# Altium PCB PCB1.PcbDoc (part 2 of 4) (continued)
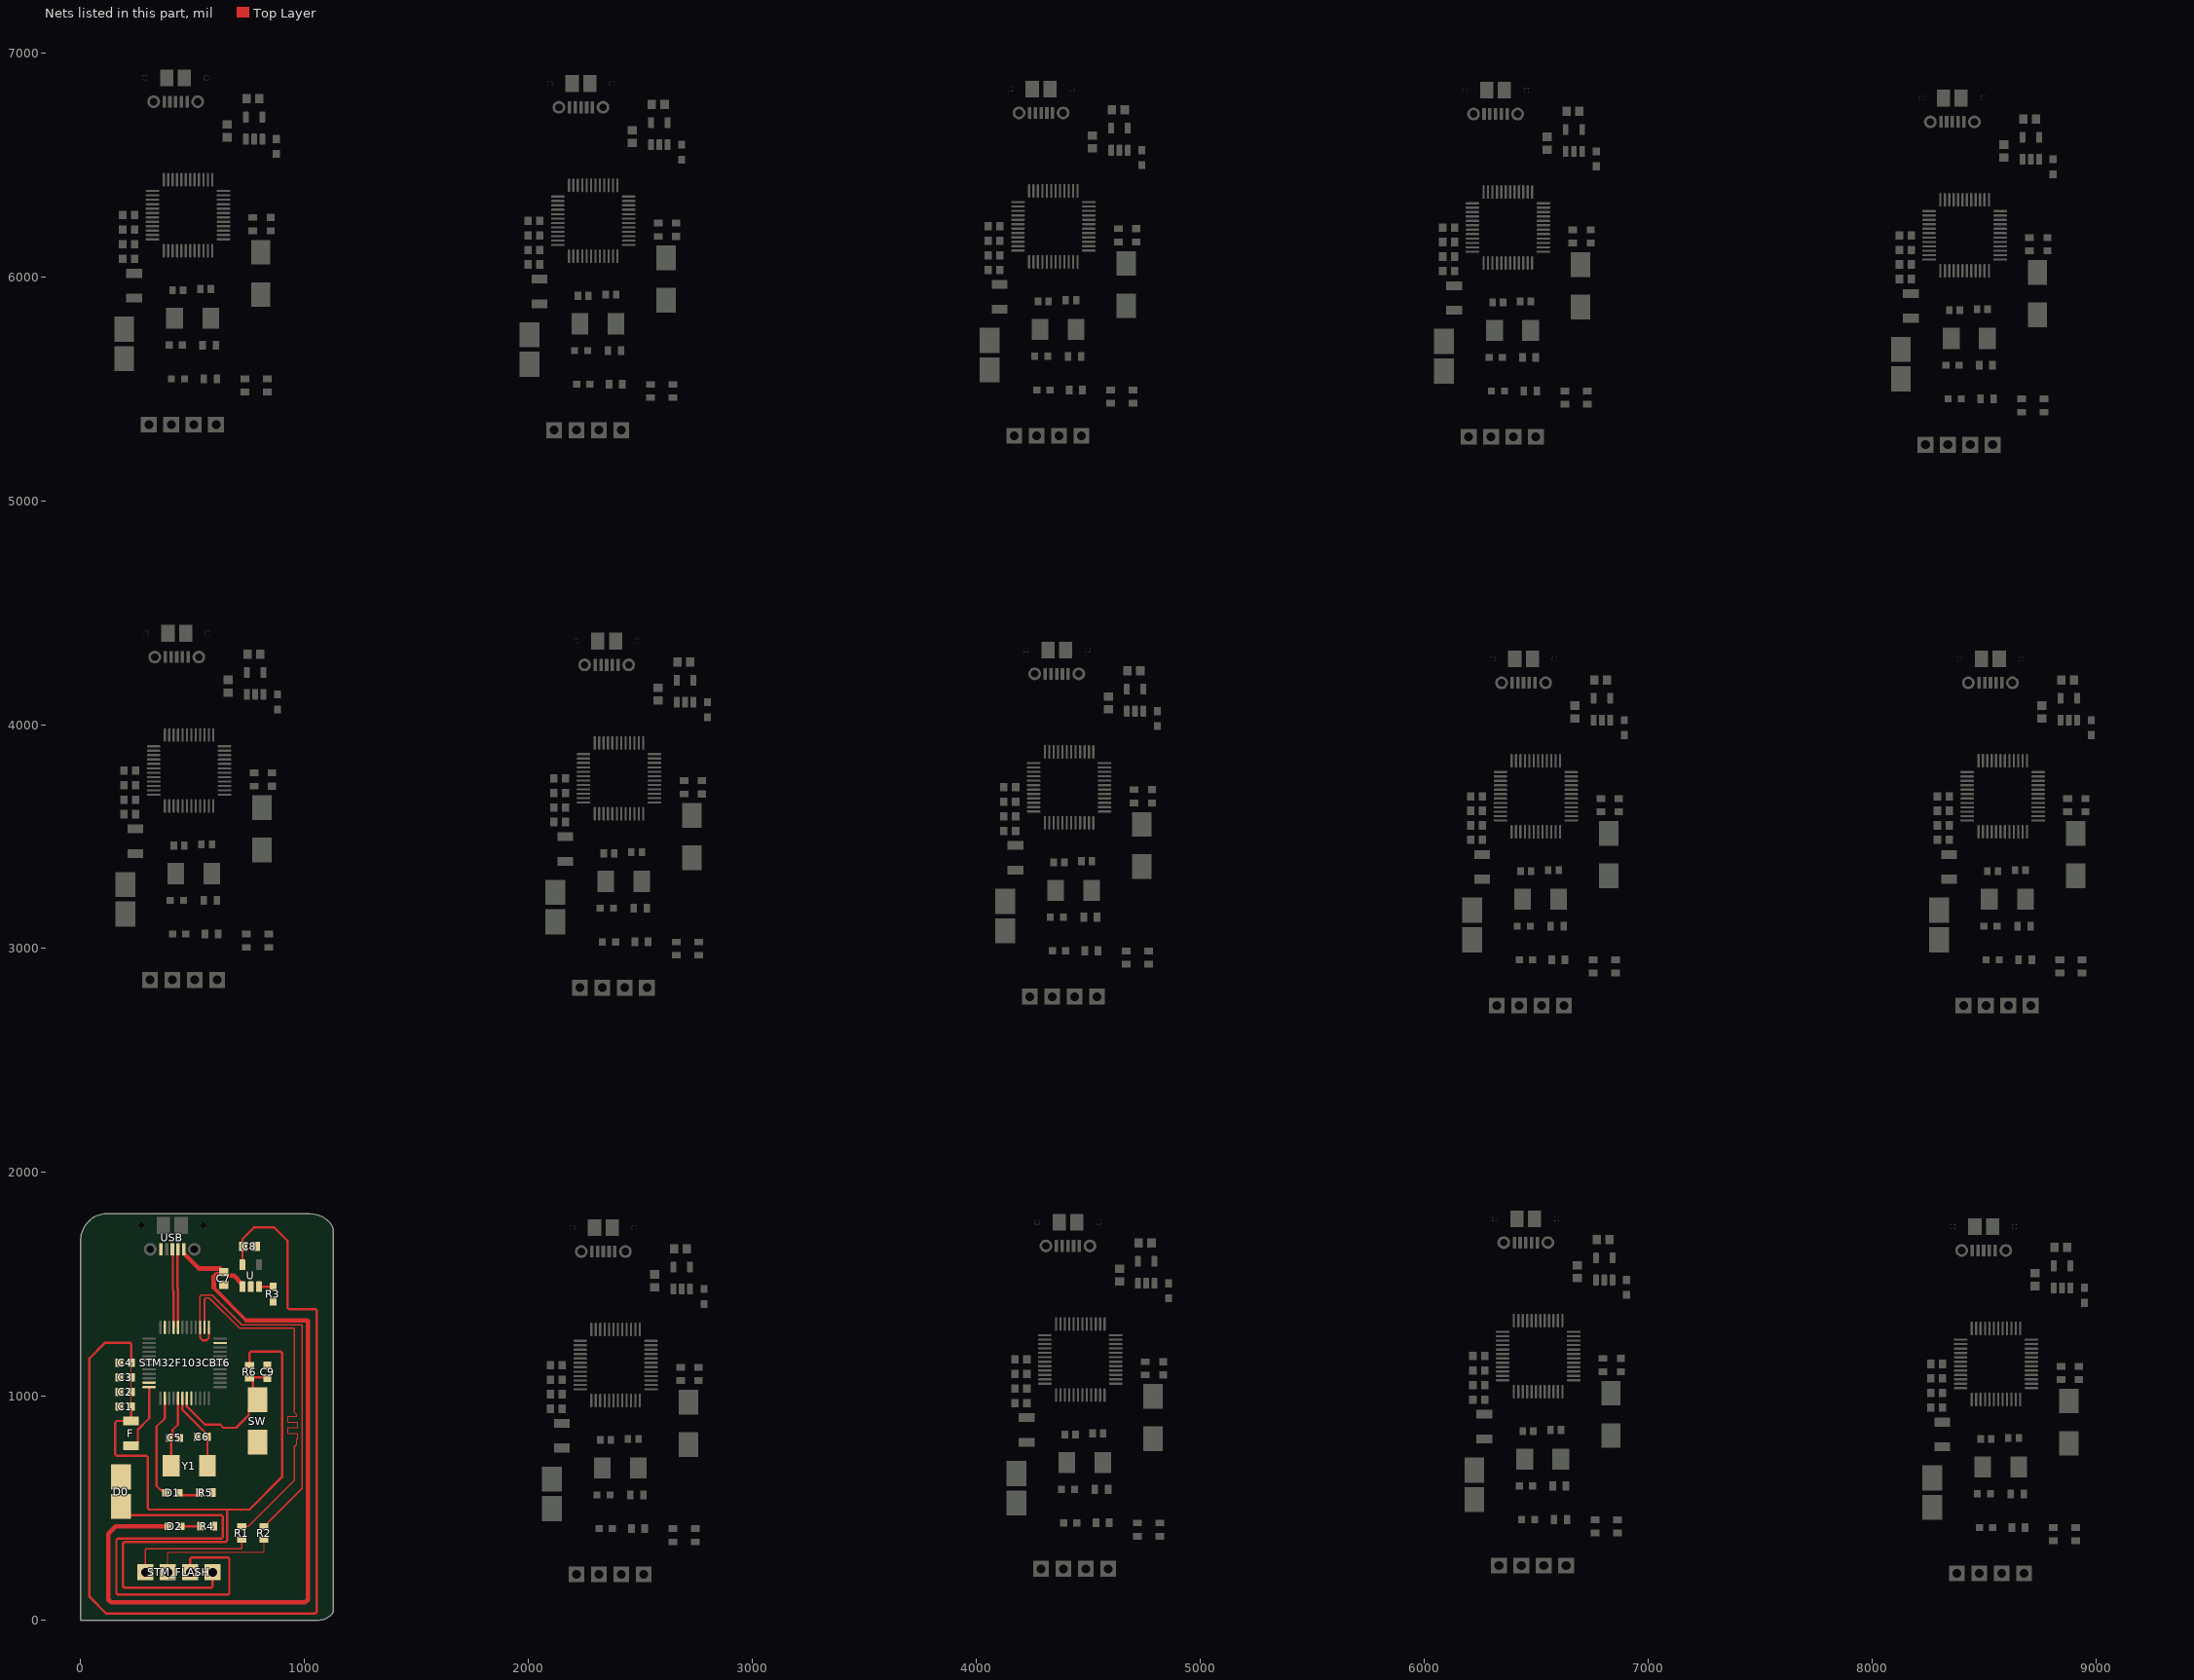
[diagram p2: the nets of this part, all layers, seen from the top]
## Nets (pads, with @x,y where several pads share a name; then routed paths per layer and width w, separated by ;. In a path a pad name is that pad's centre, name@x,y a point inside that pad or via, vN(x,y) a via of type N, cw(c..) or ccw(c..) an arc to the next point about the centre after c; other vN are vias at no path point) (continued)
  Top Layer w5: STM_FLASH.2@390,215 390,302.07 392.93,305 817.07,305 820,307.93 R2.2@820,360.47
NetR3_2: R3.2 U.3 | length 63
  Top Layer w10: U.3@797.01,1490 R3.2@860,1490
NRST: C9.1 R6.2 STM32F103CBT6.7 SW.1 | length 684.8
  Top Layer w5: R6.2@755,1080.47 R6.2@762.38,1087.85
  Top Layer w10: STM32F103CBT6.7@474.84,991.54 474.84,955.16 556.14,873.86 624.04,873.86 637.89,860 695,860 751.69,916.69 751.69,946.18 SW.1@790,984.49 ; R6.2@755,1080.47 759.76,1080.47 769.53,1070.71 SW.1@769.53,1004.96 ; R6.2@764.53,1085 830.47,1085 C9.1@835,1080.47 ; SW.1@769.53,1004.96 SW.1@790,984.49 ; SW.1@769.53,1004.96 SW.1@790,984.49
PB12: R2.1 STM32F103CBT6.25 STM32F103CBT6.27 | length 1766
  Top Layer w5: 533.9,1447.07 536.83,1450 ; R2.1@820,419.53 824.92,419.53 R2.1@837.19,431.79
  Top Layer w7: STM32F103CBT6.27@533.9,1308.46 533.9,1447.07 ; 536.83,1450 538.83,1452 588,1452 720,1320 985.9,1320 990,1315.9 990,589.53 837.19,436.71 R2.1@837.19,431.79
  Top Layer w10: STM32F103CBT6.27@533.9,1308.46 533.9,1261.1 545,1250 562.07,1250 573.27,1261.2 STM32F103CBT6.25@573.27,1308.46
PB13: R1.1 STM32F103CBT6.26 | length 1766.8
  Top Layer w5: 952.07,1305 955,1302.07 ; 955,938.91 955,938.37 955,927.5 965,917.5 965,910.87 926.64,910.87 926.64,885.87 970.08,885.87 970.08,860.87 926.64,860.87 926.64,835.87 970.08,835.87 970.08,810.87 965,810.87 965,788.94 965,785.35
  Top Layer w7: STM32F103CBT6.26@553.58,1308.46 553.58,1435.65 557.93,1440 575,1440 710,1305 952.07,1305 ; R1.1@720,419.53 749.53,419.53 955,625 955,775.35 965,785.35 ; 955,938.91 955,1302.07
PC13: D1.2 STM32F103CBT6.2 | length 459.7
  Top Layer w10: STM32F103CBT6.2@376.42,991.54 376.42,901.42 340,865 340,600.52 359.77,580.75 370.2,580.75 D1.2@380.94,570
USB_D_N: STM32F103CBT6.32 USB.2 | length 352.6
  Top Layer w10: STM32F103CBT6.32@435.47,1308.46 435.79,1308.78 435.79,1479.45 432.8,1482.44 432.8,1656.85 USB.2@435.59,1656.85
USB_D_P: STM32F103CBT6.33 USB.3 | length 352.4
  Top Layer w10: USB.3@410,1656.85 412.8,1656.85 412.8,1474.15 415.79,1471.16 STM32F103CBT6.33@415.79,1308.46
pads on no net: C1_1.1 C1_1.2 C1_2.1 C1_2.2 C1_3.1 C1_3.2 C1_4.1 C1_4.2 C1_5.1 C1_5.2 C1_6.1 C1_6.2 C1_7.1 C1_7.2 C1_8.1 C1_8.2 C1_9.1 C1_9.2 C1_10.1 C1_10.2 C1_11.1 C1_11.2 C1_12.1 C1_12.2 C1_13.1 C1_13.2 C1_14.1 C1_14.2 C2_1.1 C2_1.2 C2_2.1 C2_2.2 C2_3.1 C2_3.2 C2_4.1 C2_4.2 C2_5.1 C2_5.2 C2_6.1 C2_6.2 C2_7.1 C2_7.2 C2_8.1 C2_8.2 C2_9.1 C2_9.2 C2_10.1 C2_10.2 C2_11.1 C2_11.2 C2_12.1 C2_12.2 C2_13.1 C2_13.2 C2_14.1 C2_14.2 C3_1.1 C3_1.2 C3_2.1 C3_2.2 C3_3.1 C3_3.2 C3_4.1 C3_4.2 C3_5.1 C3_5.2 C3_6.1 C3_6.2 C3_7.1 C3_7.2 C3_8.1 C3_8.2 C3_9.1 C3_9.2 C3_10.1 C3_10.2 C3_11.1 C3_11.2 C3_12.1 C3_12.2 C3_13.1 C3_13.2 C3_14.1 C3_14.2 C4_1.1 C4_1.2 C4_2.1 C4_2.2 C4_3.1 C4_3.2 C4_4.1 C4_4.2 C4_5.1 C4_5.2 C4_6.1 C4_6.2 C4_7.1 C4_7.2 C4_8.1 C4_8.2 C4_9.1 C4_9.2 C4_10.1 C4_10.2 C4_11.1 C4_11.2 C4_12.1 C4_12.2 C4_13.1 C4_13.2 C4_14.1 C4_14.2 C5_1.1 C5_1.2 C5_2.1 C5_2.2 C5_3.1 C5_3.2 C5_4.1 C5_4.2 C5_5.1 C5_5.2 C5_6.1 C5_6.2 C5_7.1 C5_7.2 C5_8.1 C5_8.2 C5_9.1 C5_9.2 C5_10.1 C5_10.2 C5_11.1 C5_11.2 C5_12.1 C5_12.2 C5_13.1 C5_13.2 C5_14.1 C5_14.2 C6_1.1 C6_1.2 C6_2.1 C6_2.2 C6_3.1 C6_3.2 C6_4.1 C6_4.2 C6_5.1 C6_5.2 C6_6.1 C6_6.2 C6_7.1 C6_7.2 C6_8.1 C6_8.2 C6_9.1 C6_9.2 C6_10.1 C6_10.2 C6_11.1 C6_11.2 C6_12.1 C6_12.2 C6_13.1 C6_13.2 C6_14.1 C6_14.2 C7_1.1 C7_1.2 C7_2.1 C7_2.2 C7_3.1 C7_3.2 C7_4.1 C7_4.2 C7_5.1 C7_5.2 C7_6.1 C7_6.2 C7_7.1 C7_7.2 C7_8.1 C7_8.2 C7_9.1 C7_9.2 C7_10.1 C7_10.2 C7_11.1 C7_11.2 C7_12.1 C7_12.2 C7_13.1 C7_13.2 C7_14.1 C7_14.2 C8_1.1 C8_1.2 C8_2.1 C8_2.2 C8_3.1 C8_3.2 C8_4.1 C8_4.2 C8_5.1 C8_5.2 C8_6.1 C8_6.2 C8_7.1 C8_7.2 C8_8.1 C8_8.2 C8_9.1 C8_9.2 C8_10.1 C8_10.2 C8_11.1 C8_11.2 C8_12.1 C8_12.2 C8_13.1 C8_13.2 C8_14.1 C8_14.2 C9_1.1 C9_1.2 C9_2.1 C9_2.2 C9_3.1 C9_3.2 C9_4.1 C9_4.2 C9_5.1 C9_5.2 C9_6.1 C9_6.2 C9_7.1 C9_7.2 C9_8.1 C9_8.2 C9_9.1 C9_9.2 C9_10.1 C9_10.2 C9_11.1 C9_11.2 C9_12.1 C9_12.2 C9_13.1 C9_13.2 C9_14.1 C9_14.2 D0_1.1 D0_1.2 D0_2.1 D0_2.2 D0_3.1 D0_3.2 D0_4.1 D0_4.2 D0_5.1 D0_5.2 D0_6.1 D0_6.2 D0_7.1 D0_7.2 D0_8.1 D0_8.2 D0_9.1 D0_9.2 D0_10.1 D0_10.2 D0_11.1 D0_11.2 D0_12.1 D0_12.2 D0_13.1 D0_13.2 D0_14.1 D0_14.2 D1_1.1 D1_1.2 D1_2.1 D1_2.2 D1_3.1 D1_3.2 D1_4.1 D1_4.2 D1_5.1 D1_5.2 D1_6.1 D1_6.2 D1_7.1 D1_7.2 D1_8.1 D1_8.2 D1_9.1 D1_9.2 D1_10.1 D1_10.2 D1_11.1 D1_11.2 D1_12.1 D1_12.2 D1_13.1 D1_13.2 D1_14.1 D1_14.2 D2_1.1 D2_1.2 D2_2.1 D2_2.2 D2_3.1 D2_3.2 D2_4.1 D2_4.2 D2_5.1 D2_5.2 D2_6.1 D2_6.2 D2_7.1 D2_7.2 D2_8.1 D2_8.2 D2_9.1 D2_9.2 D2_10.1 D2_10.2 D2_11.1 D2_11.2 D2_12.1 D2_12.2 D2_13.1 D2_13.2 D2_14.1 D2_14.2 F_1.1 F_1.2 F_2.1 F_2.2 F_3.1 F_3.2 F_4.1 F_4.2 F_5.1 F_5.2 F_6.1 F_6.2 F_7.1 F_7.2 F_8.1 F_8.2 F_9.1 F_9.2 F_10.1 F_10.2 F_11.1 F_11.2 F_12.1 F_12.2 F_13.1 F_13.2 F_14.1 F_14.2 R1_1.1 R1_1.2 R1_2.1 R1_2.2 R1_3.1 R1_3.2 R1_4.1 R1_4.2 R1_5.1 R1_5.2 R1_6.1 R1_6.2 R1_7.1 R1_7.2 R1_8.1 R1_8.2 R1_9.1 R1_9.2 R1_10.1 R1_10.2 R1_11.1 R1_11.2 R1_12.1 R1_12.2 R1_13.1 R1_13.2 R1_14.1 R1_14.2 R2_1.1 R2_1.2 R2_2.1 R2_2.2 R2_3.1 R2_3.2 R2_4.1 R2_4.2 R2_5.1 R2_5.2 R2_6.1 R2_6.2 R2_7.1 R2_7.2 R2_8.1 R2_8.2 R2_9.1 R2_9.2 R2_10.1 R2_10.2 R2_11.1 R2_11.2 R2_12.1 R2_12.2 R2_13.1 R2_13.2 R2_14.1 R2_14.2 R3_1.1 R3_1.2 R3_2.1 R3_2.2 R3_3.1 R3_3.2 R3_4.1 R3_4.2 R3_5.1 R3_5.2 R3_6.1 R3_6.2 R3_7.1 R3_7.2 R3_8.1 R3_8.2 R3_9.1 R3_9.2 R3_10.1 R3_10.2 R3_11.1 R3_11.2 R3_12.1 R3_12.2 R3_13.1 R3_13.2 R3_14.1 R3_14.2 R4_1.1 R4_1.2 R4_2.1 R4_2.2 R4_3.1 R4_3.2 R4_4.1 R4_4.2 R4_5.1 R4_5.2 R4_6.1 R4_6.2 R4_7.1 R4_7.2 R4_8.1 R4_8.2 R4_9.1 R4_9.2 R4_10.1 R4_10.2 R4_11.1 R4_11.2 R4_12.1 R4_12.2 R4_13.1 R4_13.2 R4_14.1 R4_14.2 R5_1.1 R5_1.2 R5_2.1 R5_2.2 R5_3.1 R5_3.2 R5_4.1 R5_4.2 R5_5.1 R5_5.2 R5_6.1 R5_6.2 R5_7.1 R5_7.2 R5_8.1 R5_8.2 R5_9.1 R5_9.2 R5_10.1 R5_10.2 R5_11.1 R5_11.2 R5_12.1 R5_12.2 R5_13.1 R5_13.2 R5_14.1 R5_14.2 R6_1.1 R6_1.2 R6_2.1 R6_2.2 R6_3.1 R6_3.2 R6_4.1 R6_4.2 R6_5.1 R6_5.2 R6_6.1 R6_6.2 R6_7.1 R6_7.2 R6_8.1 R6_8.2 R6_9.1 R6_9.2 R6_10.1 R6_10.2 R6_11.1 R6_11.2 R6_12.1 R6_12.2 R6_13.1 R6_13.2 R6_14.1 R6_14.2 STM32F103CBT6.1 STM32F103CBT6.3 STM32F103CBT6.4 STM32F103CBT6.9 STM32F103CBT6.10 STM32F103CBT6.11 STM32F103CBT6.12 STM32F103CBT6.13 STM32F103CBT6.14 STM32F103CBT6.15 STM32F103CBT6.16 STM32F103CBT6.17 STM32F103CBT6.18 STM32F103CBT6.19 STM32F103CBT6.20 STM32F103CBT6.21 STM32F103CBT6.22 STM32F103CBT6.24 STM32F103CBT6.28 STM32F103CBT6.29 STM32F103CBT6.30 STM32F103CBT6.31 STM32F103CBT6.34 STM32F103CBT6.36 STM32F103CBT6.37 STM32F103CBT6.38 STM32F103CBT6.39 STM32F103CBT6.40 STM32F103CBT6.41 STM32F103CBT6.42 STM32F103CBT6.43 STM32F103CBT6.44 STM32F103CBT6.45 STM32F103CBT6.46 STM32F103CBT6_1.1 STM32F103CBT6_1.2 STM32F103CBT6_1.3 STM32F103CBT6_1.4 STM32F103CBT6_1.5 STM32F103CBT6_1.6 STM32F103CBT6_1.7 STM32F103CBT6_1.8 STM32F103CBT6_1.9 STM32F103CBT6_1.10 STM32F103CBT6_1.11 STM32F103CBT6_1.12 STM32F103CBT6_1.13 STM32F103CBT6_1.14 STM32F103CBT6_1.15 STM32F103CBT6_1.16 STM32F103CBT6_1.17 STM32F103CBT6_1.18 STM32F103CBT6_1.19 STM32F103CBT6_1.20 STM32F103CBT6_1.21 STM32F103CBT6_1.22 STM32F103CBT6_1.23 STM32F103CBT6_1.24 STM32F103CBT6_1.25 STM32F103CBT6_1.26 STM32F103CBT6_1.27 STM32F103CBT6_1.28 STM32F103CBT6_1.29 STM32F103CBT6_1.30 STM32F103CBT6_1.31 STM32F103CBT6_1.32 STM32F103CBT6_1.33 STM32F103CBT6_1.34 STM32F103CBT6_1.35 STM32F103CBT6_1.36 STM32F103CBT6_1.37 STM32F103CBT6_1.38 STM32F103CBT6_1.39 STM32F103CBT6_1.40 STM32F103CBT6_1.41 STM32F103CBT6_1.42 STM32F103CBT6_1.43 STM32F103CBT6_1.44 STM32F103CBT6_1.45 STM32F103CBT6_1.46 STM32F103CBT6_1.47 STM32F103CBT6_1.48 STM32F103CBT6_2.1 STM32F103CBT6_2.2 STM32F103CBT6_2.3 STM32F103CBT6_2.4 STM32F103CBT6_2.5 STM32F103CBT6_2.6 STM32F103CBT6_2.7 STM32F103CBT6_2.8 STM32F103CBT6_2.9 STM32F103CBT6_2.10 STM32F103CBT6_2.11 STM32F103CBT6_2.12 STM32F103CBT6_2.13 STM32F103CBT6_2.14 STM32F103CBT6_2.15 STM32F103CBT6_2.16 STM32F103CBT6_2.17 STM32F103CBT6_2.18 STM32F103CBT6_2.19 STM32F103CBT6_2.20 STM32F103CBT6_2.21 STM32F103CBT6_2.22 STM32F103CBT6_2.23 STM32F103CBT6_2.24 STM32F103CBT6_2.25 STM32F103CBT6_2.26 STM32F103CBT6_2.27 STM32F103CBT6_2.28 STM32F103CBT6_2.29 STM32F103CBT6_2.30 STM32F103CBT6_2.31 STM32F103CBT6_2.32 STM32F103CBT6_2.33 STM32F103CBT6_2.34 STM32F103CBT6_2.35 STM32F103CBT6_2.36 STM32F103CBT6_2.37 STM32F103CBT6_2.38 STM32F103CBT6_2.39 STM32F103CBT6_2.40 STM32F103CBT6_2.41 STM32F103CBT6_2.42 STM32F103CBT6_2.43 STM32F103CBT6_2.44 STM32F103CBT6_2.45 STM32F103CBT6_2.46 STM32F103CBT6_2.47 STM32F103CBT6_2.48 STM32F103CBT6_3.1 STM32F103CBT6_3.2 STM32F103CBT6_3.3 STM32F103CBT6_3.4 STM32F103CBT6_3.5 STM32F103CBT6_3.6 STM32F103CBT6_3.7 STM32F103CBT6_3.8 STM32F103CBT6_3.9 STM32F103CBT6_3.10 STM32F103CBT6_3.11 STM32F103CBT6_3.12 STM32F103CBT6_3.13 STM32F103CBT6_3.14 STM32F103CBT6_3.15 STM32F103CBT6_3.16 STM32F103CBT6_3.17 STM32F103CBT6_3.18 STM32F103CBT6_3.19 STM32F103CBT6_3.20 STM32F103CBT6_3.21 STM32F103CBT6_3.22 STM32F103CBT6_3.23 STM32F103CBT6_3.24 STM32F103CBT6_3.25 STM32F103CBT6_3.26 STM32F103CBT6_3.27 STM32F103CBT6_3.28 STM32F103CBT6_3.29 STM32F103CBT6_3.30 STM32F103CBT6_3.31 STM32F103CBT6_3.32 STM32F103CBT6_3.33 STM32F103CBT6_3.34 STM32F103CBT6_3.35 STM32F103CBT6_3.36 STM32F103CBT6_3.37 STM32F103CBT6_3.38 STM32F103CBT6_3.39 STM32F103CBT6_3.40 STM32F103CBT6_3.41 STM32F103CBT6_3.42 STM32F103CBT6_3.43 STM32F103CBT6_3.44 STM32F103CBT6_3.45 STM32F103CBT6_3.46 STM32F103CBT6_3.47 STM32F103CBT6_3.48 STM32F103CBT6_4.1 STM32F103CBT6_4.2 STM32F103CBT6_4.3 STM32F103CBT6_4.4 STM32F103CBT6_4.5 STM32F103CBT6_4.6 STM32F103CBT6_4.7 STM32F103CBT6_4.8 STM32F103CBT6_4.9 STM32F103CBT6_4.10 STM32F103CBT6_4.11 STM32F103CBT6_4.12 STM32F103CBT6_4.13 STM32F103CBT6_4.14 STM32F103CBT6_4.15 STM32F103CBT6_4.16 STM32F103CBT6_4.17 STM32F103CBT6_4.18 STM32F103CBT6_4.19 STM32F103CBT6_4.20 STM32F103CBT6_4.21 STM32F103CBT6_4.22 STM32F103CBT6_4.23 STM32F103CBT6_4.24 STM32F103CBT6_4.25 STM32F103CBT6_4.26 STM32F103CBT6_4.27 STM32F103CBT6_4.28 STM32F103CBT6_4.29 STM32F103CBT6_4.30 STM32F103CBT6_4.31 STM32F103CBT6_4.32 STM32F103CBT6_4.33 STM32F103CBT6_4.34 STM32F103CBT6_4.35 STM32F103CBT6_4.36 STM32F103CBT6_4.37 STM32F103CBT6_4.38 STM32F103CBT6_4.39 STM32F103CBT6_4.40 STM32F103CBT6_4.41 STM32F103CBT6_4.42 STM32F103CBT6_4.43 STM32F103CBT6_4.44 STM32F103CBT6_4.45 STM32F103CBT6_4.46 STM32F103CBT6_4.47 STM32F103CBT6_4.48 STM32F103CBT6_5.1 STM32F103CBT6_5.2 STM32F103CBT6_5.3 STM32F103CBT6_5.4 STM32F103CBT6_5.5 STM32F103CBT6_5.6 STM32F103CBT6_5.7 STM32F103CBT6_5.8 STM32F103CBT6_5.9 STM32F103CBT6_5.10 STM32F103CBT6_5.11 STM32F103CBT6_5.12 STM32F103CBT6_5.13 STM32F103CBT6_5.14 STM32F103CBT6_5.15 STM32F103CBT6_5.16 STM32F103CBT6_5.17 STM32F103CBT6_5.18 STM32F103CBT6_5.19 STM32F103CBT6_5.20 STM32F103CBT6_5.21 STM32F103CBT6_5.22 STM32F103CBT6_5.23 STM32F103CBT6_5.24 STM32F103CBT6_5.25 STM32F103CBT6_5.26 STM32F103CBT6_5.27 STM32F103CBT6_5.28 STM32F103CBT6_5.29 STM32F103CBT6_5.30 STM32F103CBT6_5.31 STM32F103CBT6_5.32 STM32F103CBT6_5.33 STM32F103CBT6_5.34 STM32F103CBT6_5.35 STM32F103CBT6_5.36 STM32F103CBT6_5.37 STM32F103CBT6_5.38 STM32F103CBT6_5.39 STM32F103CBT6_5.40 STM32F103CBT6_5.41 STM32F103CBT6_5.42 STM32F103CBT6_5.43 STM32F103CBT6_5.44 STM32F103CBT6_5.45 STM32F103CBT6_5.46 STM32F103CBT6_5.47 STM32F103CBT6_5.48 STM32F103CBT6_6.1 STM32F103CBT6_6.2 STM32F103CBT6_6.3 STM32F103CBT6_6.4 STM32F103CBT6_6.5 STM32F103CBT6_6.6 STM32F103CBT6_6.7 STM32F103CBT6_6.8 STM32F103CBT6_6.9 STM32F103CBT6_6.10 STM32F103CBT6_6.11 STM32F103CBT6_6.12 STM32F103CBT6_6.13 STM32F103CBT6_6.14 STM32F103CBT6_6.15 STM32F103CBT6_6.16 STM32F103CBT6_6.17 STM32F103CBT6_6.18 STM32F103CBT6_6.19 STM32F103CBT6_6.20 STM32F103CBT6_6.21 STM32F103CBT6_6.22 STM32F103CBT6_6.23 STM32F103CBT6_6.24 STM32F103CBT6_6.25 STM32F103CBT6_6.26 STM32F103CBT6_6.27 STM32F103CBT6_6.28 STM32F103CBT6_6.29 STM32F103CBT6_6.30 STM32F103CBT6_6.31 STM32F103CBT6_6.32 STM32F103CBT6_6.33 STM32F103CBT6_6.34 STM32F103CBT6_6.35 STM32F103CBT6_6.36 STM32F103CBT6_6.37 STM32F103CBT6_6.38 STM32F103CBT6_6.39 STM32F103CBT6_6.40 STM32F103CBT6_6.41 STM32F103CBT6_6.42 STM32F103CBT6_6.43 STM32F103CBT6_6.44 STM32F103CBT6_6.45 STM32F103CBT6_6.46 STM32F103CBT6_6.47 STM32F103CBT6_6.48 STM32F103CBT6_7.1 STM32F103CBT6_7.2 STM32F103CBT6_7.3 STM32F103CBT6_7.4 STM32F103CBT6_7.5 STM32F103CBT6_7.6 STM32F103CBT6_7.7 STM32F103CBT6_7.8 STM32F103CBT6_7.9 STM32F103CBT6_7.10 STM32F103CBT6_7.11 STM32F103CBT6_7.12 STM32F103CBT6_7.13 STM32F103CBT6_7.14 STM32F103CBT6_7.15 STM32F103CBT6_7.16 STM32F103CBT6_7.17 STM32F103CBT6_7.18 STM32F103CBT6_7.19 STM32F103CBT6_7.20 STM32F103CBT6_7.21 STM32F103CBT6_7.22 STM32F103CBT6_7.23 STM32F103CBT6_7.24 STM32F103CBT6_7.25 STM32F103CBT6_7.26 STM32F103CBT6_7.27 STM32F103CBT6_7.28 STM32F103CBT6_7.29 STM32F103CBT6_7.30 STM32F103CBT6_7.31 STM32F103CBT6_7.32 STM32F103CBT6_7.33 STM32F103CBT6_7.34 STM32F103CBT6_7.35 STM32F103CBT6_7.36 STM32F103CBT6_7.37 STM32F103CBT6_7.38 STM32F103CBT6_7.39 STM32F103CBT6_7.40 STM32F103CBT6_7.41 STM32F103CBT6_7.42 STM32F103CBT6_7.43 STM32F103CBT6_7.44 STM32F103CBT6_7.45 STM32F103CBT6_7.46 STM32F103CBT6_7.47 STM32F103CBT6_7.48 STM32F103CBT6_8.1 STM32F103CBT6_8.2 STM32F103CBT6_8.3 STM32F103CBT6_8.4 STM32F103CBT6_8.5 STM32F103CBT6_8.6 STM32F103CBT6_8.7 STM32F103CBT6_8.8 STM32F103CBT6_8.9 STM32F103CBT6_8.10 STM32F103CBT6_8.11 STM32F103CBT6_8.12 STM32F103CBT6_8.13 STM32F103CBT6_8.14 STM32F103CBT6_8.15 STM32F103CBT6_8.16 STM32F103CBT6_8.17 STM32F103CBT6_8.18 STM32F103CBT6_8.19 STM32F103CBT6_8.20 STM32F103CBT6_8.21 STM32F103CBT6_8.22 STM32F103CBT6_8.23 STM32F103CBT6_8.24 STM32F103CBT6_8.25 STM32F103CBT6_8.26 STM32F103CBT6_8.27 STM32F103CBT6_8.28 STM32F103CBT6_8.29 STM32F103CBT6_8.30 STM32F103CBT6_8.31 STM32F103CBT6_8.32 STM32F103CBT6_8.33 STM32F103CBT6_8.34 STM32F103CBT6_8.35 STM32F103CBT6_8.36 STM32F103CBT6_8.37 STM32F103CBT6_8.38 STM32F103CBT6_8.39 STM32F103CBT6_8.40 STM32F103CBT6_8.41 STM32F103CBT6_8.42 STM32F103CBT6_8.43 STM32F103CBT6_8.44 STM32F103CBT6_8.45 STM32F103CBT6_8.46 STM32F103CBT6_8.47 STM32F103CBT6_8.48 STM32F103CBT6_9.1 STM32F103CBT6_9.2 STM32F103CBT6_9.3 STM32F103CBT6_9.4 STM32F103CBT6_9.5 STM32F103CBT6_9.6 STM32F103CBT6_9.7 STM32F103CBT6_9.8 STM32F103CBT6_9.9 STM32F103CBT6_9.10 STM32F103CBT6_9.11 STM32F103CBT6_9.12 STM32F103CBT6_9.13 STM32F103CBT6_9.14 STM32F103CBT6_9.15 STM32F103CBT6_9.16 STM32F103CBT6_9.17 STM32F103CBT6_9.18 STM32F103CBT6_9.19 STM32F103CBT6_9.20 STM32F103CBT6_9.21 STM32F103CBT6_9.22 STM32F103CBT6_9.23 STM32F103CBT6_9.24 STM32F103CBT6_9.25 STM32F103CBT6_9.26 STM32F103CBT6_9.27 STM32F103CBT6_9.28 STM32F103CBT6_9.29 STM32F103CBT6_9.30 STM32F103CBT6_9.31 STM32F103CBT6_9.32 STM32F103CBT6_9.33 STM32F103CBT6_9.34 STM32F103CBT6_9.35 STM32F103CBT6_9.36 STM32F103CBT6_9.37 STM32F103CBT6_9.38 STM32F103CBT6_9.39 STM32F103CBT6_9.40 STM32F103CBT6_9.41 STM32F103CBT6_9.42 STM32F103CBT6_9.43 STM32F103CBT6_9.44 STM32F103CBT6_9.45 STM32F103CBT6_9.46 STM32F103CBT6_9.47 STM32F103CBT6_9.48 STM32F103CBT6_10.1 STM32F103CBT6_10.2 STM32F103CBT6_10.3 STM32F103CBT6_10.4 STM32F103CBT6_10.5 STM32F103CBT6_10.6 STM32F103CBT6_10.7 STM32F103CBT6_10.8 STM32F103CBT6_10.9 STM32F103CBT6_10.10 STM32F103CBT6_10.11 STM32F103CBT6_10.12 STM32F103CBT6_10.13 STM32F103CBT6_10.14 STM32F103CBT6_10.15 STM32F103CBT6_10.16 STM32F103CBT6_10.17 STM32F103CBT6_10.18 STM32F103CBT6_10.19 STM32F103CBT6_10.20 STM32F103CBT6_10.21 STM32F103CBT6_10.22 STM32F103CBT6_10.23 STM32F103CBT6_10.24 STM32F103CBT6_10.25 STM32F103CBT6_10.26 STM32F103CBT6_10.27 STM32F103CBT6_10.28 STM32F103CBT6_10.29 STM32F103CBT6_10.30 STM32F103CBT6_10.31 STM32F103CBT6_10.32 STM32F103CBT6_10.33 STM32F103CBT6_10.34 STM32F103CBT6_10.35 STM32F103CBT6_10.36 STM32F103CBT6_10.37 STM32F103CBT6_10.38 STM32F103CBT6_10.39 STM32F103CBT6_10.40 STM32F103CBT6_10.41 STM32F103CBT6_10.42 STM32F103CBT6_10.43 STM32F103CBT6_10.44 STM32F103CBT6_10.45 STM32F103CBT6_10.46 STM32F103CBT6_10.47 STM32F103CBT6_10.48 STM32F103CBT6_11.1 STM32F103CBT6_11.2 STM32F103CBT6_11.3 STM32F103CBT6_11.4 STM32F103CBT6_11.5 STM32F103CBT6_11.6 STM32F103CBT6_11.7 STM32F103CBT6_11.8 STM32F103CBT6_11.9 STM32F103CBT6_11.10 STM32F103CBT6_11.11 STM32F103CBT6_11.12 STM32F103CBT6_11.13 STM32F103CBT6_11.14 STM32F103CBT6_11.15 STM32F103CBT6_11.16 STM32F103CBT6_11.17 STM32F103CBT6_11.18 STM32F103CBT6_11.19 STM32F103CBT6_11.20 STM32F103CBT6_11.21 STM32F103CBT6_11.22 STM32F103CBT6_11.23 STM32F103CBT6_11.24 STM32F103CBT6_11.25 STM32F103CBT6_11.26 STM32F103CBT6_11.27 STM32F103CBT6_11.28 STM32F103CBT6_11.29 STM32F103CBT6_11.30 STM32F103CBT6_11.31 STM32F103CBT6_11.32 STM32F103CBT6_11.33 STM32F103CBT6_11.34 STM32F103CBT6_11.35 STM32F103CBT6_11.36 STM32F103CBT6_11.37 STM32F103CBT6_11.38 STM32F103CBT6_11.39 STM32F103CBT6_11.40 STM32F103CBT6_11.41 STM32F103CBT6_11.42 STM32F103CBT6_11.43 STM32F103CBT6_11.44 STM32F103CBT6_11.45 STM32F103CBT6_11.46 STM32F103CBT6_11.47 STM32F103CBT6_11.48 STM32F103CBT6_12.1 STM32F103CBT6_12.2 STM32F103CBT6_12.3 STM32F103CBT6_12.4 STM32F103CBT6_12.5 STM32F103CBT6_12.6 STM32F103CBT6_12.7 STM32F103CBT6_12.8 STM32F103CBT6_12.9 STM32F103CBT6_12.10 STM32F103CBT6_12.11 STM32F103CBT6_12.12 STM32F103CBT6_12.13 STM32F103CBT6_12.14 STM32F103CBT6_12.15 STM32F103CBT6_12.16 STM32F103CBT6_12.17 STM32F103CBT6_12.18 STM32F103CBT6_12.19 STM32F103CBT6_12.20 STM32F103CBT6_12.21 STM32F103CBT6_12.22 STM32F103CBT6_12.23 STM32F103CBT6_12.24 STM32F103CBT6_12.25 STM32F103CBT6_12.26 STM32F103CBT6_12.27 STM32F103CBT6_12.28 STM32F103CBT6_12.29 STM32F103CBT6_12.30 STM32F103CBT6_12.31 STM32F103CBT6_12.32 STM32F103CBT6_12.33 STM32F103CBT6_12.34 STM32F103CBT6_12.35 STM32F103CBT6_12.36 STM32F103CBT6_12.37 STM32F103CBT6_12.38 STM32F103CBT6_12.39 STM32F103CBT6_12.40 STM32F103CBT6_12.41 STM32F103CBT6_12.42 STM32F103CBT6_12.43 STM32F103CBT6_12.44 STM32F103CBT6_12.45 STM32F103CBT6_12.46 STM32F103CBT6_12.47 STM32F103CBT6_12.48 STM32F103CBT6_13.1 STM32F103CBT6_13.2 STM32F103CBT6_13.3 STM32F103CBT6_13.4 STM32F103CBT6_13.5 STM32F103CBT6_13.6 STM32F103CBT6_13.7 STM32F103CBT6_13.8 STM32F103CBT6_13.9 STM32F103CBT6_13.10 STM32F103CBT6_13.11 STM32F103CBT6_13.12 STM32F103CBT6_13.13 STM32F103CBT6_13.14 STM32F103CBT6_13.15 STM32F103CBT6_13.16 STM32F103CBT6_13.17 STM32F103CBT6_13.18 STM32F103CBT6_13.19 STM32F103CBT6_13.20 STM32F103CBT6_13.21 STM32F103CBT6_13.22 STM32F103CBT6_13.23 STM32F103CBT6_13.24 STM32F103CBT6_13.25 STM32F103CBT6_13.26 STM32F103CBT6_13.27 STM32F103CBT6_13.28 STM32F103CBT6_13.29 STM32F103CBT6_13.30 STM32F103CBT6_13.31 STM32F103CBT6_13.32 STM32F103CBT6_13.33 STM32F103CBT6_13.34 STM32F103CBT6_13.35 STM32F103CBT6_13.36 STM32F103CBT6_13.37 STM32F103CBT6_13.38 STM32F103CBT6_13.39 STM32F103CBT6_13.40 STM32F103CBT6_13.41 STM32F103CBT6_13.42 STM32F103CBT6_13.43 STM32F103CBT6_13.44 STM32F103CBT6_13.45 STM32F103CBT6_13.46 STM32F103CBT6_13.47 STM32F103CBT6_13.48 STM32F103CBT6_14.1 STM32F103CBT6_14.2 STM32F103CBT6_14.3 STM32F103CBT6_14.4 STM32F103CBT6_14.5 STM32F103CBT6_14.6 STM32F103CBT6_14.7 STM32F103CBT6_14.8 STM32F103CBT6_14.9 STM32F103CBT6_14.10 STM32F103CBT6_14.11 STM32F103CBT6_14.12 STM32F103CBT6_14.13 STM32F103CBT6_14.14 STM32F103CBT6_14.15 STM32F103CBT6_14.16 STM32F103CBT6_14.17 STM32F103CBT6_14.18 STM32F103CBT6_14.19 STM32F103CBT6_14.20 STM32F103CBT6_14.21 STM32F103CBT6_14.22 STM32F103CBT6_14.23 STM32F103CBT6_14.24 STM32F103CBT6_14.25 STM32F103CBT6_14.26 STM32F103CBT6_14.27 STM32F103CBT6_14.28 STM32F103CBT6_14.29 STM32F103CBT6_14.30 STM32F103CBT6_14.31 STM32F103CBT6_14.32 STM32F103CBT6_14.33 STM32F103CBT6_14.34 STM32F103CBT6_14.35 STM32F103CBT6_14.36 STM32F103CBT6_14.37 STM32F103CBT6_14.38 STM32F103CBT6_14.39 STM32F103CBT6_14.40 STM32F103CBT6_14.41 STM32F103CBT6_14.42 STM32F103CBT6_14.43 STM32F103CBT6_14.44 STM32F103CBT6_14.45 STM32F103CBT6_14.46 STM32F103CBT6_14.47 STM32F103CBT6_14.48 STM_FLASH_1.1 STM_FLASH_1.2 STM_FLASH_1.3 STM_FLASH_1.4 STM_FLASH_2.1 STM_FLASH_2.2 STM_FLASH_2.3 STM_FLASH_2.4 STM_FLASH_3.1 STM_FLASH_3.2 STM_FLASH_3.3 STM_FLASH_3.4 STM_FLASH_4.1 STM_FLASH_4.2 STM_FLASH_4.3 STM_FLASH_4.4 STM_FLASH_5.1 STM_FLASH_5.2 STM_FLASH_5.3 STM_FLASH_5.4 STM_FLASH_6.1 STM_FLASH_6.2 STM_FLASH_6.3 STM_FLASH_6.4 STM_FLASH_7.1 STM_FLASH_7.2 STM_FLASH_7.3 STM_FLASH_7.4 STM_FLASH_8.1 STM_FLASH_8.2 STM_FLASH_8.3 STM_FLASH_8.4 STM_FLASH_9.1 STM_FLASH_9.2 STM_FLASH_9.3 STM_FLASH_9.4 STM_FLASH_10.1 STM_FLASH_10.2 STM_FLASH_10.3 STM_FLASH_10.4 STM_FLASH_11.1 STM_FLASH_11.2 STM_FLASH_11.3 STM_FLASH_11.4 STM_FLASH_12.1 STM_FLASH_12.2 STM_FLASH_12.3 STM_FLASH_12.4 STM_FLASH_13.1 STM_FLASH_13.2 STM_FLASH_13.3 STM_FLASH_13.4 STM_FLASH_14.1 STM_FLASH_14.2 STM_FLASH_14.3 STM_FLASH_14.4 SW_1.1 SW_1.2 SW_2.1 SW_2.2 SW_3.1 SW_3.2 SW_4.1 SW_4.2 SW_5.1 SW_5.2 SW_6.1 SW_6.2 SW_7.1 SW_7.2 SW_8.1 SW_8.2 SW_9.1 SW_9.2 SW_10.1 SW_10.2 SW_11.1 SW_11.2 SW_12.1 SW_12.2 SW_13.1 SW_13.2 SW_14.1 SW_14.2 U.4 U_1.1 U_1.2 U_1.3 U_1.4 U_1.5 U_2.1 U_2.2 U_2.3 U_2.4 U_2.5 U_3.1 U_3.2 U_3.3 U_3.4 U_3.5 U_4.1 U_4.2 U_4.3 U_4.4 U_4.5 U_5.1 U_5.2 U_5.3 U_5.4 U_5.5 U_6.1 U_6.2 U_6.3 U_6.4 U_6.5 U_7.1 U_7.2 U_7.3 U_7.4 U_7.5 U_8.1 U_8.2 U_8.3 U_8.4 U_8.5 U_9.1 U_9.2 U_9.3 U_9.4 U_9.5 U_10.1 U_10.2 U_10.3 U_10.4 U_10.5 U_11.1 U_11.2 U_11.3 U_11.4 U_11.5 U_12.1 U_12.2 U_12.3 U_12.4 U_12.5 U_13.1 U_13.2 U_13.3 U_13.4 U_13.5 U_14.1 U_14.2 U_14.3 U_14.4 U_14.5 USB.4 USB.6 USB.7 USB.8 USB.9 USB.10 USB.11 USB_1.1 USB_1.2 USB_1.3 USB_1.4 USB_1.5 USB_1.6 USB_1.7 USB_1.8 USB_1.9 USB_1.10 USB_1.11 USB_2.1 USB_2.2 USB_2.3 USB_2.4 USB_2.5 USB_2.6 USB_2.7 USB_2.8 USB_2.9 USB_2.10 USB_2.11 USB_3.1 USB_3.2 USB_3.3 USB_3.4 USB_3.5 USB_3.6 USB_3.7 USB_3.8 USB_3.9 USB_3.10 USB_3.11 USB_4.1 USB_4.2 USB_4.3 USB_4.4 USB_4.5 USB_4.6 USB_4.7 USB_4.8 USB_4.9 USB_4.10 USB_4.11 USB_5.1 USB_5.2 USB_5.3 USB_5.4 USB_5.5 USB_5.6 USB_5.7 USB_5.8 USB_5.9 USB_5.10 USB_5.11 USB_6.1 USB_6.2 USB_6.3 USB_6.4 USB_6.5 USB_6.6 USB_6.7 USB_6.8 USB_6.9 USB_6.10 USB_6.11 USB_7.1 USB_7.2 USB_7.3 USB_7.4 USB_7.5 USB_7.6 USB_7.7 USB_7.8 USB_7.9 USB_7.10 USB_7.11 USB_8.1 USB_8.2 USB_8.3 USB_8.4 USB_8.5 USB_8.6 USB_8.7 USB_8.8 USB_8.9 USB_8.10 USB_8.11 USB_9.1 USB_9.2 USB_9.3 USB_9.4 USB_9.5 USB_9.6 USB_9.7 USB_9.8 USB_9.9 USB_9.10 USB_9.11 USB_10.1 USB_10.2 USB_10.3 USB_10.4 USB_10.5 USB_10.6 USB_10.7 USB_10.8 USB_10.9 USB_10.10 USB_10.11 USB_11.1 USB_11.2 USB_11.3 USB_11.4 USB_11.5 USB_11.6 USB_11.7 USB_11.8 USB_11.9 USB_11.10 USB_11.11 USB_12.1 USB_12.2 USB_12.3 USB_12.4 USB_12.5 USB_12.6 USB_12.7 USB_12.8 USB_12.9 USB_12.10 USB_12.11 USB_13.1 USB_13.2 USB_13.3 USB_13.4 USB_13.5 USB_13.6 USB_13.7 USB_13.8 USB_13.9 USB_13.10 USB_13.11 USB_14.1 USB_14.2 USB_14.3 USB_14.4 USB_14.5 USB_14.6 USB_14.7 USB_14.8 USB_14.9 USB_14.10 USB_14.11 Y1_1.1 Y1_1.2 Y1_2.1 Y1_2.2 Y1_3.1 Y1_3.2 Y1_4.1 Y1_4.2 Y1_5.1 Y1_5.2 Y1_6.1 Y1_6.2 Y1_7.1 Y1_7.2 Y1_8.1 Y1_8.2 Y1_9.1 Y1_9.2 Y1_10.1 Y1_10.2 Y1_11.1 Y1_11.2 Y1_12.1 Y1_12.2 Y1_13.1 Y1_13.2 Y1_14.1 Y1_14.2